# Altium PCB Graviton-RB1.PcbDoc (part 2 of 11)
Units mil, origin at the board's own origin, x right, y up, seen from the top; angles counter-clockwise.
Board outline 7874.02 x 7874.02 mil, 10 copper layers (Top Layer, Internal Plane 1, Signal Layer 1, Internal Plane 2, Signal Layer 2, Signal Layer 3, Internal Plane 3, Signal Layer 4, Internal Plane 4, Bottom Layer), stack 65.914 mil thick; 1299 components, 1517 nets, 7968 pads, 1791 vias.
Unrouted connection lines stored in the file: 4618.
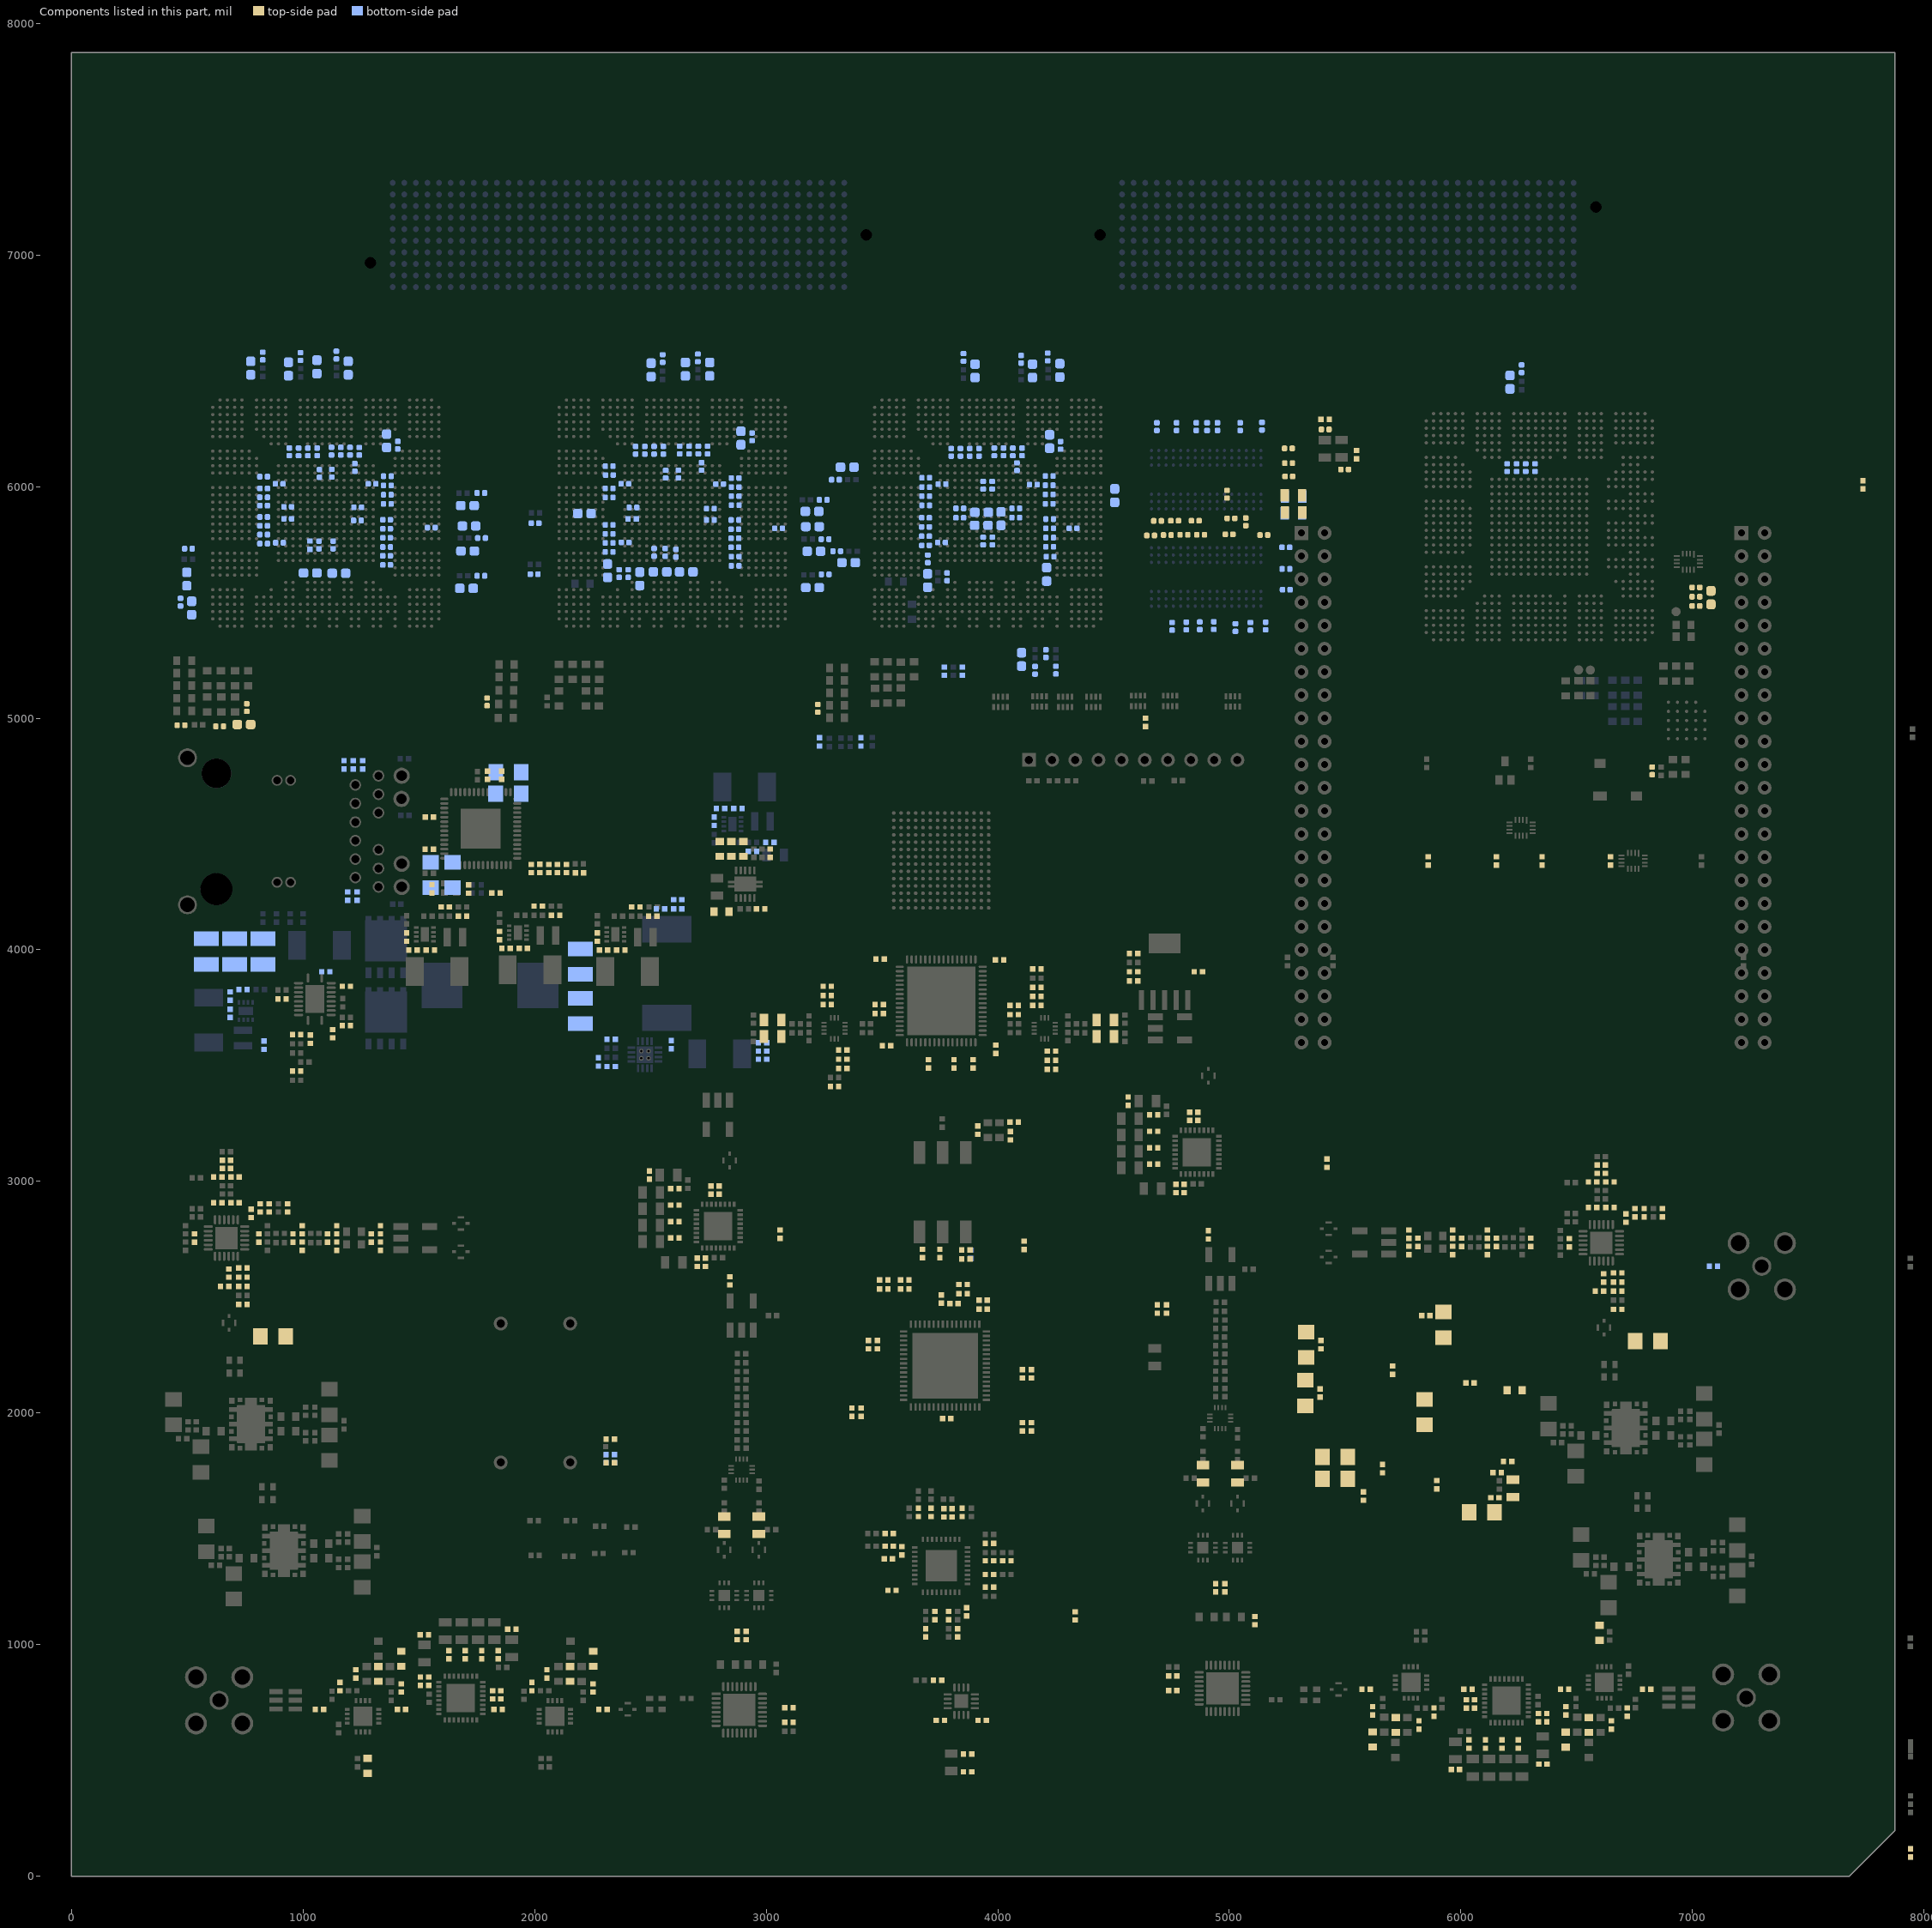
[diagram p10: the components of this part, seen from the top]

## Classes and differential pairs (continued)
differential pair DAC-LVDS.DAC-D8: +DAC-LVDS.DAC-D8_P -DAC-LVDS.DAC-D8_N
differential pair DAC-LVDS.DAC-D7: +DAC-LVDS.DAC-D7_P -DAC-LVDS.DAC-D7_N
differential pair DAC-LVDS.DAC-D6: +DAC-LVDS.DAC-D6_P -DAC-LVDS.DAC-D6_N
differential pair DAC-LVDS.DAC-D5: +DAC-LVDS.DAC-D5_P -DAC-LVDS.DAC-D5_N
differential pair DAC-LVDS.DAC-D4: +DAC-LVDS.DAC-D4_P -DAC-LVDS.DAC-D4_N
differential pair DAC-LVDS.DAC-D3: +DAC-LVDS.DAC-D3_P -DAC-LVDS.DAC-D3_N
differential pair DAC-LVDS.DAC-D2: +DAC-LVDS.DAC-D2_P -DAC-LVDS.DAC-D2_N
differential pair DAC-LVDS.DAC-D1: +DAC-LVDS.DAC-D1_P -DAC-LVDS.DAC-D1_N
differential pair DAC-LVDS.DAC-D0: +DAC-LVDS.DAC-D0_P -DAC-LVDS.DAC-D0_N
differential pair CLKOUT3: +CLKOUT3_P -CLKOUT3_N
differential pair CLIENT-CLK: +CLIENT-CLK_P -CLIENT-CLK_N
differential pair BANK3-DQS32.DQS3: +BANK3-DQS32.DQS3_P -BANK3-DQS32.DQS3_N
differential pair BANK3-DQS32.DQS2: +BANK3-DQS32.DQS2_P -BANK3-DQS32.DQS2_N
differential pair BANK3-DQS32.DQS1: +BANK3-DQS32.DQS1_P -BANK3-DQS32.DQS1_N
differential pair BANK3-DQS32.DQS0: +BANK3-DQS32.DQS0_P -BANK3-DQS32.DQS0_N
differential pair BANK3-DDRCTRL.CLK: +BANK3-DDRCTRL.CLK_P -BANK3-DDRCTRL.CLK_N
differential pair ADC-SYNC: +ADC-SYNC_P -ADC-SYNC_N
differential pair ADC-DCLK: +ADC-DCLK_P -ADC-DCLK_N
differential pair ADC-D15: +ADC-D15_P -ADC-D15_N
differential pair ADC-D14: +ADC-D14_P -ADC-D14_N
differential pair ADC-D13: +ADC-D13_P -ADC-D13_N
differential pair ADC-D12: +ADC-D12_P -ADC-D12_N
differential pair ADC-D11: +ADC-D11_P -ADC-D11_N
differential pair ADC-D10: +ADC-D10_P -ADC-D10_N
differential pair ADC-D9: +ADC-D9_P -ADC-D9_N
differential pair ADC-D8: +ADC-D8_P -ADC-D8_N
differential pair ADC-D7: +ADC-D7_P -ADC-D7_N
differential pair ADC-D6: +ADC-D6_P -ADC-D6_N
differential pair ADC-D5: +ADC-D5_P -ADC-D5_N
differential pair ADC-D4: +ADC-D4_P -ADC-D4_N
differential pair ADC-D3: +ADC-D3_P -ADC-D3_N
differential pair ADC-D2: +ADC-D2_P -ADC-D2_N
differential pair ADC-D1: +ADC-D1_P -ADC-D1_N
differential pair ADC-D0: +ADC-D0_P -ADC-D0_N
differential pair ADC-CLKIN: +ADC-CLKIN_P -ADC-CLKIN_N
differential pair ADC-AMP-B: +ADC-AMP-B_P -ADC-AMP-B_N
differential pair ADC-AMP-A: +ADC-AMP-A_P -ADC-AMP-A_N
differential pair LO-OSC: +LO-OSC_P -LO-OSC_N
differential pair IOUTC: +IOUTC_P -IOUTC_N
differential pair IOUTD: +IOUTD_P -IOUTD_N
differential pair RAMCLK: +RAMCLK_P -RAMCLK_N

## Components (designator, comment, footprint, x,y, rotation, side; value= is the part's Value field where it differs from the comment)
C1 "CAP 0402" 0402 8082.68,6779.72 r90 top
C2 "CAP 0402" 0402 8397.64,5519.88 r90 top
C3 "CAP 0402" 0402 8397.64,5618.31 r90 top
C4 "CAP 0402" 0402 8397.64,5815.16 r90 top
C5 "CAP 0402" 0402 7736.22,6007.87 r90 top
C6 "CAP 0402" 0402 8397.64,6208.86 r90 top
C7 "CAP 0402" 0402 4169.29,3759.84 r0 top
C8 "CAP 0402" 0402 4169.29,3799.21 r0 top
C9 "CAP 0402" 0402 3330.71,3527.56 r180 top
C10 "CAP 0402" 0402 4169.29,3838.58 r0 top
C11 "CAP 0402" 0402 3330.71,3488.19 r180 top
C12 "CAP 0402" 0402 4169.29,3917.32 r180 top
C13 "CAP 0402" 0402 4007.87,3956.69 r180 top
C14 "CAP 0402" 0402 3488.19,3763.78 r0 top
C15 "CAP 0402" 0402 3492.13,3960.63 r0 top
C16 "CAP 0402" 0402 4232.28,3562.99 r180 top
C17 "CAP 0402" 0402 4232.28,3523.62 r180 top
C18 "CAP 0402" 0402 4232.28,3484.25 r180 top
C19 "CAP 0805" 0805 4464.57,3625.98 r180 top
C20 "CAP 0805" 0805 4464.57,3696.85 r180 top
C21 "CAP 0402" 0402 3263.78,3763.78 r0 top
C22 "CAP 0402" 0402 3263.78,3803.15 r0 top
C23 "CAP 0402" 0402 3263.78,3842.52 r0 top
C24 "CAP 0805" 0805 3027.56,3696.85 r0 top
C25 "CAP 0805" 0805 3027.56,3625.98 r0 top
C26 "CAP 0402" 0402 4586.61,3905.51 r0 top
C27 "CAP 0402" 0402 4586.61,3984.25 r180 top
C28 "CAP 0402" 0402 4070.87,3720.47 r180 top
C29 "CAP 0402" 0402 3992.13,3570.87 r90 top
C30 "CAP 0402" 0402 4070.87,3759.84 r180 top
C31 "CAP 0402" 0402 3488.19,3724.41 r0 top
C32 "CAP 0402" 0402 4866.14,3905.51 r180 top
C33 "CAP 0402" 0402 4586.61,3866.14 r0 top
C34 "CAP 0402" 0402 7090.55,2633.86 r0 bottom
C35 "CAP 0402" 0402 3811.02,2472.44 r180 top
C36 "CAP 0402" 0402 3755.91,2492.13 r270 top
C37 "CAP 0402" 0402 3862.2,2704.72 r180 top
C38 "CAP 0402" 0402 3862.2,2665.35 r180 top
C39 "CAP 0402" 0402 3881.89,2685.04 r270 bottom
C40 "CAP 0402" 0402 2326.77,1785.63 r180 top
C41 "CAP 0402" 0402 2326.77,1785.63 r180 bottom
C42 "CAP 0402" 0402 2326.77,1821.06 r180 bottom
C43 "CAP 0402" 0402 2326.77,1887.99 r180 top
C44 "CAP 0402" 0402 3598.43,2535.43 r0 top
C45 "CAP 0402" 0402 3598.43,2574.8 r0 top
C46 "CAP 0402" 0402 5848.43,2421.26 r0 top
C47 "CAP 0402" 1206 5925.2,2380.91 r90 top
C48 "GRM155R71A104KA01J" CAPC1005X56N 6826.23,4772.86 r90 top
C49 "CAP 0402" 0402 4728.35,2448.82 r90 top
C50 "CAP 0402" 0402 4688.98,2448.82 r90 top
C51 "CAP 0402" 0402 3370.08,2003.94 r270 top
C52 "CAP 0402" 0402 3409.45,2003.94 r270 top
C53 "CAP 0402" 0402 6039.37,2129.92 r180 top
C54 "CAP 0402" 1206 5842.52,2003.94 r90 top
C55A "CAP 0402" 0402 14723.94,3877.35 r90 top (schematic designator C55)
C55B "CAP 0402" 0402 12172.75,3222.03 r90 top (schematic designator C55)
C56 "CAP 0402" 0402 3675.2,2688.98 r90 top
C57 "CAP 0402" 0402 4106.3,1940.94 r90 top
C58 "CAP 0402" 0402 4145.67,1940.94 r90 top
C59 "CAP 0402" 0402 5578.74,1641.73 r90 top
C60 "CAP 0402" 1206 5456.69,1716.54 r0 top
C61A "CAP 0402" 0402 15074.35,3877.35 r90 top (schematic designator C61)
C61B "CAP 0402" 0402 12523.17,3222.03 r90 top (schematic designator C61)
C62 "CAP 0402" 0402 3750,2688.98 r270 top
C63 "CAP 0402" 0402 4106.3,2169.29 r270 top
C64 "CAP 0402" 0402 4145.67,2169.29 r270 top
C65 "CAP 0402" 0402 5661.42,1759.84 r270 top
C66 "CAP 0402" 1206 5456.69,1811.02 r0 top
C67 "CAP 0402" 0402 5704.72,2185.04 r90 top
C68 "CAP 0402" 0402 3480.31,2295.28 r270 top
C69 "CAP 0402" 0402 3440.94,2295.28 r270 top
C70 "CAP 0402" 0402 5395.47,2295.28 r270 top
C71 "CAP 0402" 1206 5332.48,2295.28 r270 top
C72A "CAP 0402" 0402 4940.94,1245.67 r90 top (schematic designator C72)
C72B "CAP 0402" 0402 2874.02,1039.37 r90 top (schematic designator C72)
C73 "CAP 0402" 0402 3937.01,2448.82 r0 top
C74 "CAP 0402" 0402 3937.01,2488.19 r0 top
C75 "CAP 0402" 0402 5391.54,2086.61 r270 top
C76 "CAP 0402" 1206 5328.54,2086.61 r270 top
C77A "CAP 0402" 0402 4980.31,1245.67 r90 top (schematic designator C77)
C77B "CAP 0402" 0402 2913.39,1039.37 r90 top (schematic designator C77)
C78 "CAP 10UF 0805" 0805 6224.41,1675 r90 top
C79 "CAP 0402" 0402 5895.67,1690.75 r90 top
C80 "CAP 0402" 0402 6156.5,1742.72 r0 top
C81 "CAP 0402" 0402 6201.77,1791.14 r180 top
C82 "CAP 0402" 0402 6146.65,1634.45 r0 top
C83 "CAP 0402" 1206 6090.55,1571.65 r0 top
C84A "CAP 0805" 0805 4885.83,1737.99 r270 top (schematic designator C84)
C84B "CAP 0805" 0805 2818.9,1515.75 r270 top (schematic designator C84)
C85 "CAP 0402" 0402 4070.87,3256.69 r0 top
C86 "CAP 0402" 0402 4055.12,3197.64 r90 top
C87 "CAP 0402" 0402 3913.39,3221.26 r90 top
C88 "CAP 0402" 1206 -1009.54,3074.02 r0 top
C89 "CAP 0402" 1206 -1009.54,2877.17 r0 top
C90 "CAP 0402" 0402 -989.86,3802.37 r0 top
C91 "CAP 0402" 0402 -911.12,4451.98 r0 top
C92 "CAP 0402" 0402 -911.12,4255.13 r0 top
C93 "CAP 0402" 0402 -911.12,4058.28 r0 top
C94 "CAP 0402" 0402 -1045.08,3818.9 r0 top
C95 "CAP 0402" 0402 -1045.08,3622.05 r0 top
C96 "CAP 0402" 0402 -989.86,4392.92 r0 top
C97 "CAP 0402" 0402 -989.86,4196.07 r0 top
C98 "CAP 0402" 0402 -1084.45,3858.27 r0 top
C99 "CAP 0402" 0402 -1084.45,3661.42 r0 top
C100 "CAP 0402" 0402 -1068.6,4255.13 r0 top
C101 "CAP 0402" 0402 -1068.6,3959.85 r0 top
C102 "CAP 0402" 0402 -1068.6,3664.57 r0 top
C103 "CAP 0402" 0402 -1045.08,4311.02 r0 top
C104 "CAP 0402" 0402 -1281.3,4507.87 r0 top
C105 "CAP 0402" 0402 -1281.3,4212.6 r0 top
C106 "CAP 0402" 0402 -1281.3,3917.32 r0 top
C107 "CAP 0402" 0402 -1281.3,3622.05 r0 top
C108 "CAP 0402" 0402 -1107.97,4373.24 r0 top
C109 "CAP 0402" 0402 -1107.97,4077.96 r0 top
C110 "CAP 0402" 0402 6645.67,4384.06 r270 top
C111 "CAP 0402" 0402 6350.39,4384.06 r270 top
C112 "CAP 0402" 0402 6153.54,4384.06 r270 top
C113 "CAP 0402" 0402 5858.27,4384.06 r270 top
C114 "CAP 0402" 0402 4638,4982 r90 top
C115 "GRM155R71A104KA01J" CAPC1005X56N 4999,5794 r0 top
C116 "GRM155R71A104KA01J" CAPC1005X56N 5157,5398 r90 bottom
C117 "GRM155R71A104KA01J" CAPC1005X56N 4872.46,5399.19 r90 bottom
C118 "GRM155R71A104KA01J" CAPC1005X56N 4753,5397 r90 bottom
C119 "GRM155R71A104KA01J" CAPC1005X56N 4732,5791 r0 top
C120 "GRM155R71A104KA01J" CAPC1005X56N 5091,5397 r90 bottom
C121 "GRM155R71A104KA01J" CAPC1005X56N 5149,5791 r180 top
C122 "GRM155R71A104KA01J" CAPC1005X56N 4933,5400 r90 bottom
C123 "GRM155R71A104KA01J" CAPC1005X56N 4814,5398 r90 bottom
C124 "GRM155R71A104KA01J" CAPC1005X56N 4804,5792 r0 top
C125 "GRM155R71A104KA01J" CAPC1005X56N 4660,5789 r180 top
C126 "10uF, 10V" 0805 5276.92,5884.17 r180 bottom
C127 "GRM155R71A104KA01J" CAPC1005X56N 4876,5792 r180 top
C128 "GRM155R71A104KA01J" CAPC1005X56N 5026.3,5391.49 r90 bottom
C129 "GRM155R71A104KA01J" CAPC1005X56N 5246,5555 r180 bottom
C130 "GRM155R71A104KA01J" CAPC1005X56N 5244.51,5644.75 r180 bottom
C131 "GRM155R71A104KA01J" CAPC1005X56N 5244,5738 r180 bottom
C132 "10uF, 10V" 0805 5278,5957 r180 bottom
C133 "GRM155R71A104KA01J" CAPC1005X56N 5414,6247 r180 top
C134 "GRM155R71A104KA01J" CAPC1005X56N 5498,6074 r180 top
C135 "GRM155R71A104KA01J" CAPC1005X56N 5141,6261 r270 bottom
C136 "CAP 0402" 0402 5414,6290 r180 top
C137 "CAP 0402" 0402 5549,6138 r270 top
C138 "GRM155R71A104KA01J" CAPC1005X56N 4772,6259 r270 bottom
C139 "GRM155R71A104KA01J" CAPC1005X56N 4949,6259 r270 bottom
C140 "GRM155R71A104KA01J" CAPC1005X56N 4690,5852 r0 top
C141 "GRM155R71A104KA01J" CAPC1005X56N 5071,5848 r270 top
C142 "GRM155R71A104KA01J" CAPC1005X56N 4687,6259 r270 bottom
C143 "GRM155R71A104KA01J" CAPC1005X56N 5047,6259 r270 bottom
C144 "GRM155R71A104KA01J" CAPC1005X56N 4764,5853 r180 top
C145 "GRM155R71A104KA01J" CAPC1005X56N 4853,5853 r0 top
C146 "GRM155R71A104KA01J" CAPC1005X56N 5007,5863 r180 top
C147 "GRM155R71A104KA01J" CAPC1005X56N 4857,6259 r270 bottom
C148 "GRM155R71A104KA01J" CAPC1005X56N 4904,6259 r270 bottom
C149 "10uF, 10V" 0805 5277,5963 r180 top
C150 "GRM155R71A104KA01J" CAPC1005X56N 4990,5967 r270 top
C151 "GRM155R71A104KA01J" CAPC1005X56N 5256,6101 r180 top
C152 "GRM155R71A104KA01J" CAPC1005X56N 5257,6044 r180 top
C153 "GRM155R71A104KA01J" CAPC1005X56N 5255,6165 r180 top
C154A "CAP 0805" 0805 5035.43,1737.99 r270 top (schematic designator C154)
C154B "CAP 0805" 0805 2968.5,1515.75 r270 top (schematic designator C154)
C155 "10uF, 10V" 0805 5278,5889 r180 top
C156 "1uF" 0402 8441.72,4935.34 r90 top
C157 "1uF" 0402 8737,4935.34 r90 top
C158 "100nF" 0402 9032.28,4935.34 r90 top
C159 "100nF" 0402 9327.55,4935.34 r90 top
C160 "GRM155R71A104KA01J" CAPC1005X56N 6262,6509 r270 bottom
C161 "GRM188R71A225KE15D" CAPC1608X90N 6212,6451 r270 bottom
C162 "GRM155R71A104KA01J" CAPC1005X56N 6240,6082 r270 bottom
C163 "GRM155R71A104KA01J" CAPC1005X56N 6200,6082 r270 bottom
C164 "GRM155R71A104KA01J" CAPC1005X56N 6280,6082 r270 bottom
C165 "GRM155R71A104KA01J" CAPC1005X56N 6320,6082 r270 bottom
C166 "GRM188R71A225KE15D" CAPC1608X90N 7079.86,5520.77 r90 top
C167 "GRM155R71A104KA01J" CAPC1005X56N 7014.86,5484.77 r0 top
C168 "GRM155R71A104KA01J" CAPC1005X56N 7014.86,5524.77 r0 top
C169 "GRM155R71A104KA01J" CAPC1005X56N 7014.86,5564.77 r0 top
C170A "CAP 0402" 0402 6802.17,807.09 r0 top (schematic designator C170)
C170B "CAP 0402" 0402 1070.87,720.47 r180 top (schematic designator C170)
C171 "CAP 0402" 0402 8484.25,3431.3 r90 top
C172 "CAP 0402" 0402 11296.06,2474.71 r90 top
C173 "GRM188R71A225KE15D" CAPC1608X90N 8048.02,2474.71 r90 top
C174 "GRM188R71A225KE15D" CAPC1608X90N 8244.87,2474.71 r90 top
C175 "GRM188R71A225KE15D" CAPC1608X90N 8540.15,2474.71 r90 top
C176 "GRM155R71A104KA01J" CAPC1005X56N 8835.43,2474.71 r90 top
C177 "GRM155R71A104KA01J" CAPC1005X56N 9130.7,2474.71 r90 top
C178 "GRM155R71A104KA01J" CAPC1005X56N 9425.98,2474.71 r90 top
C179 "GRM155R71A104KA01J" CAPC1005X56N 9721.25,2474.71 r90 top
C180 "GRM155R71A104KA01J" CAPC1005X56N 9918.1,2474.71 r90 top
C181 "GRM155R71A104KA01J" CAPC1005X56N 10213.38,2474.71 r90 top
C182 "GRM155R71A104KA01J" CAPC1005X56N 10508.65,2474.71 r90 top
C183 "GRM155R71A104KA01J" CAPC1005X56N 10803.93,2474.71 r90 top
C184 "CAP 0402" 0402 3330.71,3566.93 r180 top
C185 "CAP 0402" 0402 3295.28,3409.45 r180 top
C186 "CAP 0402" 0402 3700.79,3507.87 r90 top
C187 "CAP 0402" 0402 3811.02,3507.87 r90 top
C188 "CAP 0402" 0402 3519.68,3586.61 r0 top
C189 "CAP 0402" 0402 3893.7,3507.87 r90 top
C190A "CAP 10UF 0402" 0402 1848.98,4061.65 r270 top (schematic designator C190)
C190B "CAP 10UF 0402" 0402 2270.24,4054.76 r270 top (schematic designator C190)
C190C "CAP 10UF 0402" 0402 1447.4,4054.76 r270 top (schematic designator C190)
C190D "CAP 10UF 0402" 0402 740.79,3828.19 r180 bottom (schematic designator C190)
C190E "CAP 10UF 0402" 0402 2775.59,4555.12 r90 bottom (schematic designator C190)
C191A "CAP 10UF 0402" 0402 1951.34,4006.53 r180 top (schematic designator C191)
C191B "CAP 10UF 0402" 0402 2372.6,3999.65 r180 top (schematic designator C191)
C191C "CAP 10UF 0402" 0402 1549.76,3999.65 r180 top (schematic designator C191)
C191D "CAP 10UF 0402" 0402 685.67,3725.83 r270 bottom (schematic designator C191)
C191E "CAP 10UF 0402" 0402 2877.95,4610.24 r180 bottom (schematic designator C191)
C192A "CAP 10UF 0402" 0402 1876.54,4006.53 r0 top (schematic designator C192)
C192B "CAP 10UF 0402" 0402 2297.8,3999.65 r0 top (schematic designator C192)
C192C "CAP 10UF 0402" 0402 1474.96,3999.65 r0 top (schematic designator C192)
C192D "CAP 10UF 0402" 0402 685.67,3800.63 r90 bottom (schematic designator C192)
C192E "CAP 10UF 0402" 0402 2803.15,4610.24 r0 bottom (schematic designator C192)
C193A "CAP 10UF 0402" 0402 2090.55,4149.61 r180 top (schematic designator C193)
C193B "CAP 10UF 0402" 0402 2510.39,4145.32 r180 top (schematic designator C193)
C193C "CAP 10UF 0402" 0402 1688.98,4145.67 r180 top (schematic designator C193)
C193D "CAP 10UF 0402" 0402 831.34,3588.03 r270 bottom (schematic designator C193)
C193E "CAP 10UF 0402" 0402 3015.75,4464.57 r180 bottom (schematic designator C193)
C194A "100nF" 0402 6354.33,484.25 r180 top (schematic designator C194)
C194B "100nF" 0402 5421.26,3078.74 r90 top (schematic designator C194)
C194C "100nF" 0402 1523.62,1043.31 r0 top (schematic designator C194)
C194D "100nF" 0402 3059.84,2772.64 r90 top (schematic designator C194)
C195A "1uF" 0402 6371.06,685.04 r90 top (schematic designator C195)
C195B "1uF" 0402 4787.4,2951.77 r0 top (schematic designator C195)
C195C "1uF" 0402 1506.89,842.52 r270 top (schematic designator C195)
C195D "1uF" 0402 2720.08,2632.87 r0 top (schematic designator C195)
C196A "100nF" 0402 6334.65,685.04 r90 top (schematic designator C196)
C196B "100nF" 0402 4787.4,2988.19 r0 top (schematic designator C196)
C196C "100nF" 0402 1543.31,842.52 r270 top (schematic designator C196)
C196D "100nF" 0402 2720.08,2669.29 r0 top (schematic designator C196)
C197A "100nF" 0402 6059.06,744.09 r90 top (schematic designator C197)
C197B "100nF" 0402 4846.46,3263.78 r0 top (schematic designator C197)
C197C "100nF" 0402 1818.9,783.46 r270 top (schematic designator C197)
C197D "100nF" 0402 2779.13,2944.88 r0 top (schematic designator C197)
C198A "1uF" 0402 6023.62,744.09 r90 top (schematic designator C198)
C198B "1uF" 0402 4846.46,3299.21 r0 top (schematic designator C198)
C198C "1uF" 0402 1854.33,783.46 r270 top (schematic designator C198)
C198D "1uF" 0402 2779.13,2980.31 r0 top (schematic designator C198)
C199A "100nF" 0402 5976.38,460.63 r0 top (schematic designator C199)
C199B "100nF" 0402 4562.99,3346.46 r270 top (schematic designator C199)
C199C "100nF" 0402 1901.57,1066.93 r180 top (schematic designator C199)
C199D "100nF" 0402 2495.67,3027.56 r270 top (schematic designator C199)
C200A "CAP 0402" 0402 6248.03,570.87 r90 top (schematic designator C200)
C200B "CAP 0402" 0402 4673.23,3074.8 r0 top (schematic designator C200)
C200C "CAP 0402" 0402 1629.92,956.69 r270 top (schematic designator C200)
C200D "CAP 0402" 0402 2605.91,2755.91 r0 top (schematic designator C200)
C201A "CAP 0402" 0402 6177.17,570.87 r90 top (schematic designator C201)
C201B "CAP 0402" 0402 4673.23,3145.67 r0 top (schematic designator C201)
C201C "CAP 0402" 0402 1700.79,956.69 r270 top (schematic designator C201)
C201D "CAP 0402" 0402 2605.91,2826.77 r0 top (schematic designator C201)
C202A "CAP 0402" 0402 6106.3,570.87 r90 top (schematic designator C202)
C202B "CAP 0402" 0402 4673.23,3216.54 r0 top (schematic designator C202)
C202C "CAP 0402" 0402 1771.65,956.69 r270 top (schematic designator C202)
C202D "CAP 0402" 0402 2605.91,2897.64 r0 top (schematic designator C202)
C203A "CAP 0402" 0402 6035.43,570.87 r90 top (schematic designator C203)
C203B "CAP 0402" 0402 4673.23,3287.4 r0 top (schematic designator C203)
C203C "CAP 0402" 0402 1842.52,956.69 r270 top (schematic designator C203)
C203D "CAP 0402" 0402 2605.91,2968.5 r0 top (schematic designator C203)
C204 "CAP 0402" 0402 1985,4351 r90 top
C205 "CAP 0402" 0402 2023.17,4351.28 r90 top
C206 "CAP 0402" 0402 2061,4351 r90 top
C207 "CAP 0402" 0402 2099,4351 r90 top
C208 "CAP 0402" 0402 2137,4351 r90 top
C209 "CAP 0402" 0402 2194,4332 r0 top
C210 "CAP 0402" 0402 1833,4246 r0 top
C211 "CAP 0402" 1206 1645,4323 r90 bottom
C212 "CAP 0402" 1206 1551,4323 r90 bottom
C213 "CAP 0402" 0402 1545.76,4572.73 r0 top
C214 "CAP 0402" 0402 1545,4435 r0 top
C215 "CAP 0402" 0402 1234,4232 r90 bottom
C216 "CAP 0402" 0402 1193.11,4232.34 r90 bottom
C217 "CAP 0402" 0402 1177.17,4798.66 r270 bottom
C218 "CAP 0402" 0402 1217.44,4798.66 r270 bottom
C219 "CAP 0402" 0402 1258,4799 r270 bottom
C220 "CAP 0402" 1206 1887,4767 r180 bottom
C221 "CAP 0402" 1206 1886.96,4673.81 r180 bottom
C222 "CAP 0402" 0402 1796,4754 r270 top
C223 "CAP 0402" 0402 1858,4754 r270 top
C224 "CAP 0402" 0402 1556.54,4263.51 r270 top
C225 "CAP 0402" 0402 1715.54,4262.51 r90 top
C226A "GRM155R71A104KA01J" CAPC1005X56N 3852,6558 r270 bottom (schematic designator C226)
C226B "GRM155R71A104KA01J" CAPC1005X56N 989,6562 r270 bottom (schematic designator C226)
C226C "GRM155R71A104KA01J" CAPC1005X56N 2553,6553 r270 bottom (schematic designator C226)
C227A "GRM188R71A225KE15D" CAPC1608X90N 3902,6500 r270 bottom (schematic designator C227)
C227B "GRM188R71A225KE15D" CAPC1608X90N 937,6508 r270 bottom (schematic designator C227)
C227C "GRM188R71A225KE15D" CAPC1608X90N 2503,6504 r270 bottom (schematic designator C227)
C228A "GRM155R71A104KA01J" CAPC1005X56N 3799,6148 r270 bottom (schematic designator C228)
C228B "GRM155R71A104KA01J" CAPC1005X56N 941,6150 r270 bottom (schematic designator C228)
C228C "GRM155R71A104KA01J" CAPC1005X56N 2436,6157 r270 bottom (schematic designator C228)
C229A "GRM155R71A104KA01J" CAPC1005X56N 3839,6148 r270 bottom (schematic designator C229)
C229B "GRM155R71A104KA01J" CAPC1005X56N 981,6150 r270 bottom (schematic designator C229)
C229C "GRM155R71A104KA01J" CAPC1005X56N 2476,6157 r270 bottom (schematic designator C229)
C230A "GRM155R71A104KA01J" CAPC1005X56N 3879,6148 r270 bottom (schematic designator C230)
C230B "GRM155R71A104KA01J" CAPC1005X56N 1021,6150 r270 bottom (schematic designator C230)
C230C "GRM155R71A104KA01J" CAPC1005X56N 2516,6157 r270 bottom (schematic designator C230)
C231A "GRM155R71A104KA01J" CAPC1005X56N 3919,6148 r270 bottom (schematic designator C231)
C231B "GRM155R71A104KA01J" CAPC1005X56N 1061,6150 r270 bottom (schematic designator C231)
C231C "GRM155R71A104KA01J" CAPC1005X56N 2556,6157 r270 bottom (schematic designator C231)
C232A "GRM155R71A104KA01J" CAPC1005X56N 4101,6550 r270 bottom (schematic designator C232)
C232B "GRM155R71A104KA01J" CAPC1005X56N 1144,6568 r270 bottom (schematic designator C232)
C232C "GRM155R71A104KA01J" CAPC1005X56N 2705,6556 r270 bottom (schematic designator C232)
C233A "GRM188R71A225KE15D" CAPC1608X90N 4150,6500 r270 bottom (schematic designator C233)
C233B "GRM188R71A225KE15D" CAPC1608X90N 1195,6512 r270 bottom (schematic designator C233)